# Altium PCB ECE453_Custom.PcbDoc
Units mil, origin at the board's own origin, x right, y up, seen from the top; angles counter-clockwise.
Board outline 2347.18 x 3917.24 mil, 2 copper layers (Top Layer, Bottom Layer); 93 components, 62 nets, 283 pads, 0 vias.
Unrouted connection lines stored in the file: 177.
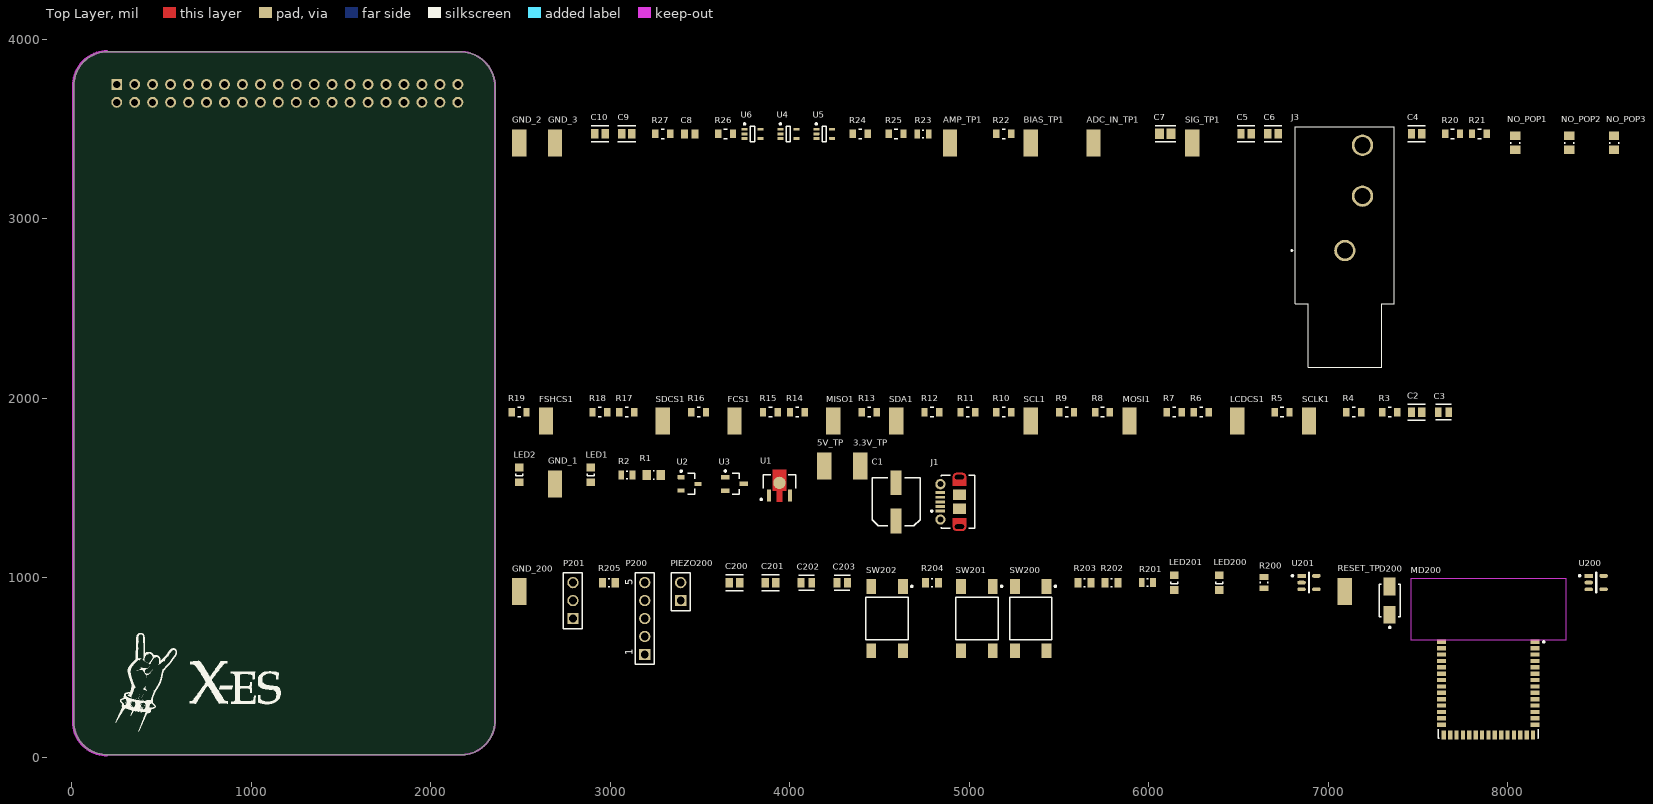
[diagram p0: Top Layer view]
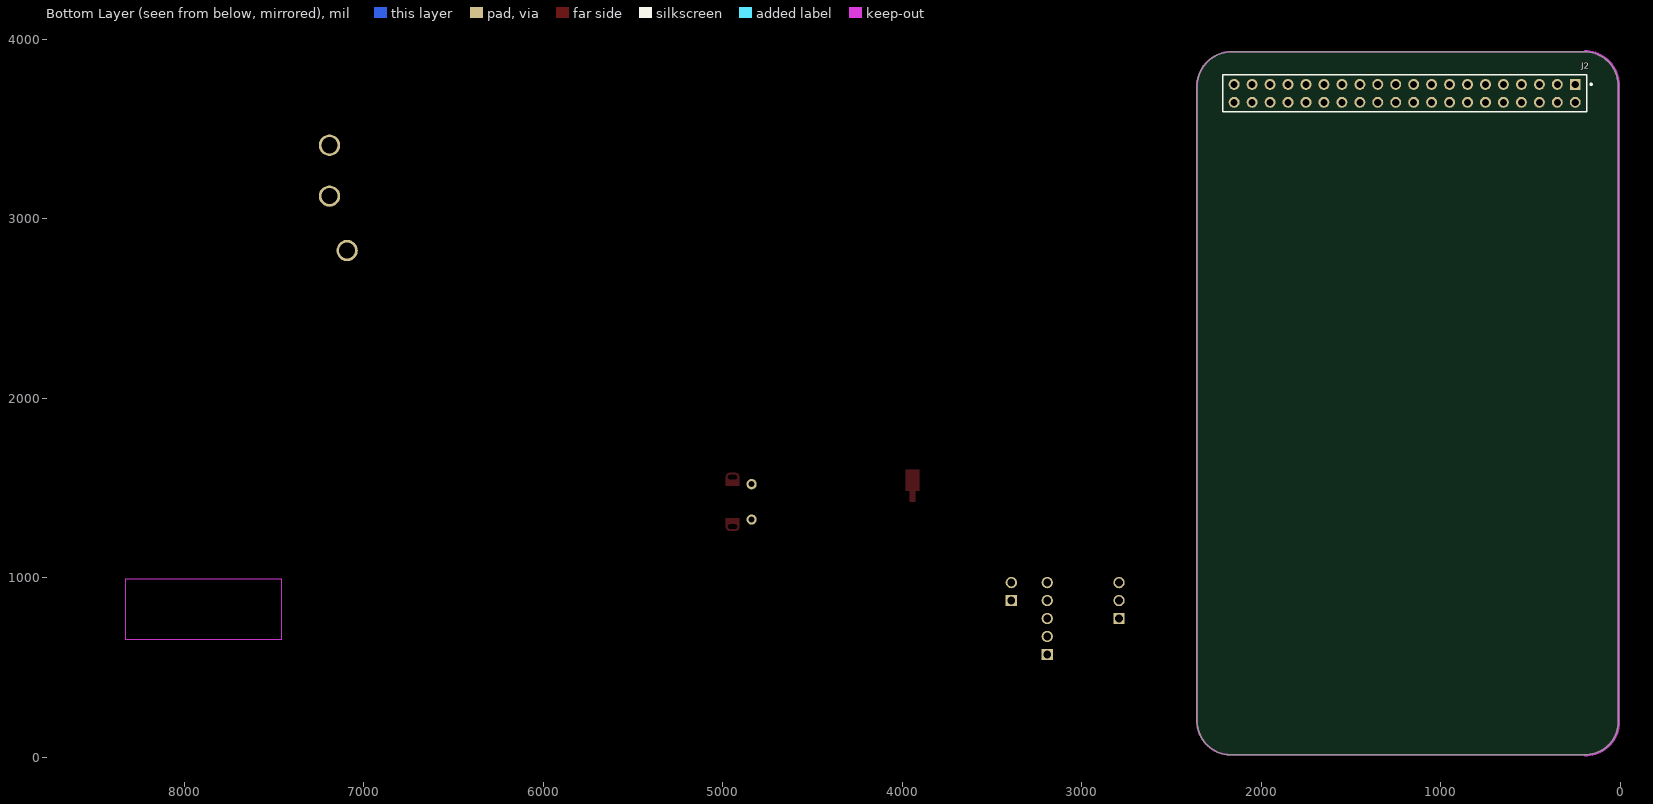
[diagram p1: Bottom Layer view, seen from below]

## Layer stack, top to bottom
Top Solder: solder mask 0.4, Solder Resist, Dk 3.5
Top Layer: signal copper 1.4
Dielectric1: dielectric 12.6, FR-4, Dk 4.8
Bottom Layer: signal copper 1.4
Bottom Solder: solder mask 0.4, Solder Resist, Dk 3.5

## Board outline
10.01,196.88 ccw(c194.35,199.35) 196.78,15.01 cw(c196.85,10) 196.85,15.02 2160.35,15.02 cw(c2160.35,10) 2160.58,15.01 ccw(c2167.85,204.35) 2357.19,196.95 2357.19,3740.13 ccw(c2162.85,3737.66) 2160.45,3931.99 ccw(c2162.85,3737.66) 2160.42,3931.99 2160.45,3931.99 cw(c2160.35,3937.01) 2160.35,3931.99 200,3931.99 cw(c200,3937.01) 198.43,3932.25 cw(c196.85,3937.01) 196.91,3931.99 ccw(c199.35,3742.66) 10.01,3740.25 ccw(c199.35,3742.66) 10.01,3740.22 10.01,3740.25 cw(c5,3740.16) 10.01,3740.16 10.01,196.88 cw(c194.35,199.35)

## Design rules (kind name [scope] priority, off if disabled: settings)
BoardOutlineClearance [All] p1: gap=50 ignorepadtopadclearanceinfootprint=FALSE
Clearance Polygon_Clearance [All vs InPolygon] p1: gap=12 ignorepadtopadclearanceinfootprint=TRUE
Clearance [All] p2: gap=7 ignorepadtopadclearanceinfootprint=TRUE
ComponentClearance [InComponent('U3')] p1: gap=0 collisioncheckmode=3 verticalgap=10 showdistances=FALSE
Height [All] p1: minheight=0 maxheight=866.14 prefheight=500
HoleSize [All] p1: absolutevalues=TRUE maxlimit=250 minlimit=15 maxpercent=80.000 minpercent=20.000
MinimumAnnularRing [All] p1: minimumring=7
MinimumSolderMaskSliver [All] p1: minsoldermaskwidth=1
NetAntennae NetAntennae_5.0V [InNet('5.0V')] p1: netantennaetolerance=0
NetAntennae NetAntennae_3.3V [InNet('3.3V')] p2: netantennaetolerance=0
PolygonConnect [IsNamedPolygon('5.0V_L01_P019') or IsNamedPolygon('3.3V_L01_P020') vs IsVia] p1: connectstyle=Relief reliefconductorwidth=10 reliefentries=4 polygonreliefangle="90 Angle" airgapwidth=10
PolygonConnect PolygonConnect_2 [All vs IsVia] p2: connectstyle=Relief reliefconductorwidth=15 reliefentries=4 polygonreliefangle="90 Angle" airgapwidth=10
PolygonConnect PolygonConnect_1 [All] p3: connectstyle=Relief reliefconductorwidth=10 reliefentries=4 polygonreliefangle="90 Angle" airgapwidth=10
RoutingVias [All] p1: holewidth=15 width=30 viastyle="Through Hole" minholewidth=15 minwidth=30 maxholewidth=28 maxwidth=50
SilkToSilkClearance [All] p1: silktosilkclearance=1
SilkToSolderMaskClearance [IsPad] p1: minsilkscreentomaskgap=1 clearancetoexposedcopper=TRUE
SolderMaskExpansion [All] p1: expansion=4 istentingtop=FALSE
UnRoutedNet [All] p1: checkbadconnections=TRUE
Width [All] p1: maxlimit=472.44 minlimit=7 preferedwidth=15 minimp=50.000000 maximp=50.000000 favimp=50.000000
22 further rules are at their usual default settings.

## Components (designator, comment, footprint, x,y, rotation, side; value= is the part's Value field where it differs from the comment)
3.3V_TP "5019" KSTN-5019_V 4391.54,1624.17 r90 top
5V_TP "5019" KSTN-5019_V 4191.54,1624.17 r90 top
ADC_IN_TP1 "5019" KSTN-5019_V 5691.54,3424.17 r90 top
AMP_TP1 "5019" KSTN-5019_V 4891.54,3424.17 r90 top
BIAS_TP1 "5019" KSTN-5019_V 5341.54,3424.17 r90 top
C1 "220uF" NIC-CAPA2-6.3X7.7_V 4591.54,1424.17 r90 top
C2 "0.1uF" FP-CL21-IPC_C 7491.54,1924.17 r0 top
C3 "C0805C106K8PACTU" FP-C0805C-DG-MFG 7641.54,1924.17 r0 top value=10uF
C4 "0.1uF" FP-CL21-IPC_C 7491.54,3474.17 r0 top
C5 "0.1uF" FP-CL21-IPC_C 6541.54,3474.17 r0 top
C6 "0.1uF" FP-CL21-IPC_C 6691.54,3474.17 r0 top
C7 "10uF" FP-CL21-IPC_B 6091.54,3474.17 r0 top
C8 "0.01uF" CAPC2013X75X45LL10T25 3441.54,3474.17 r0 top
C9 "0.1uF" FP-CL21-IPC_C 3091.54,3474.17 r0 top
C10 "0.1uF" FP-CL21-IPC_C 2941.54,3474.17 r0 top
C200 "0.1uF" FP-CL21-IPC_C 3691.54,974.17 r0 top
C201 "0.1uF" FP-CL21-IPC_C 3891.54,974.17 r0 top
C202 "C0805C106K8PACTU" FP-C0805C-DG-MFG 4091.54,974.17 r0 top value=10uF
C203 "C0805C106K8PACTU" FP-C0805C-DG-MFG 4291.54,974.17 r0 top value=10uF
D200 "B140-13-F" FP-SMA-MFG 7341.54,874.17 r90 top
FCS1 "5019" KSTN-5019_V 3691.54,1874.17 r90 top
FSHCS1 "5019" KSTN-5019_V 2641.54,1874.17 r90 top
GND_1 "5019" KSTN-5019_V 2691.54,1524.17 r90 top
GND_2 "5019" KSTN-5019_V 2491.54,3424.17 r90 top
GND_3 "5019" KSTN-5019_V 2691.54,3424.17 r90 top
GND_200 "5019" KSTN-5019_V 2491.54,924.17 r90 top
J1 "105017-0001" USB-MICRO-B_V 4891.54,1424.17 r90 top
J2 "M20-7832046" FP-M20-7832046-MFG 1200,3700 r0 bottom
J3 "SJ-63062B" CUI_SJ-63062B 7091.54,2824.17 r90 top
LCDCS1 "5019" KSTN-5019_V 6491.54,1874.17 r90 top
LED1 "150080GS75000" 0805_A 2891.54,1574.17 r90 top
LED2 "150080GS75000" 0805_A 2491.54,1574.17 r90 top
LED200 "150080GS75000" 0805_A 6391.54,974.17 r90 top
LED201 "150080RS75000" 0805_A 6141.54,974.17 r90 top
MD200 "CYBLE-416045-02" FP-CYBLE-416045-02-MFG 7891.54,474.17 r0 top
MISO1 "5019" KSTN-5019_V 4241.54,1874.17 r90 top
MOSI1 "5019" KSTN-5019_V 5891.54,1874.17 r90 top
NO_POP1 "NO_POP" RESC2013X60X35ML10T20 8041.54,3424.17 r90 top
NO_POP2 "NO_POP" RESC2013X60X35ML10T20 8341.54,3424.17 r90 top
NO_POP3 "NO_POP" RESC2013X60X35ML10T20 8591.54,3424.17 r90 top
P200 "61300511121" 61300511121 3191.54,774.17 r90 top
P201 "61300311121" 61300311121 2791.54,874.17 r90 top
PIEZO200 "61300211121" 61300211121 3391.54,924.17 r90 top
R1 "100R" RESC2013X60X35ML10T20 3241.54,1574.17 r0 top
R2 "43R" RESC2013X60X35LL10T20 3091.54,1574.17 r0 top
R3 "" FP-RC0805-MFG 7341.54,1924.17 r0 top value=0Ω
R4 "" FP-RC0805-MFG 7141.54,1924.17 r0 top value=0Ω
R5 "" FP-RC0805-MFG 6741.54,1924.17 r0 top value=0Ω
R6 "" FP-RC0805-MFG 6291.54,1924.17 r0 top value=0Ω
R7 "" FP-RC0805-MFG 6141.54,1924.17 r0 top value=0Ω
R8 "" FP-RC0805-MFG 5741.54,1924.17 r0 top value=0Ω
R9 "" FP-RC0805-MFG 5541.54,1924.17 r0 top value=0Ω
R10 "" FP-RC0805-MFG 5191.54,1924.17 r0 top value=0Ω
R11 "" FP-RC0805-MFG 4991.54,1924.17 r0 top value=0Ω
R12 "" FP-RC0805-MFG 4791.54,1924.17 r0 top value=0Ω
R13 "" FP-RC0805-MFG 4441.54,1924.17 r0 top value=0Ω
R14 "" FP-RC0805-MFG 4041.54,1924.17 r0 top value=0Ω
R15 "" FP-RC0805-MFG 3891.54,1924.17 r0 top value=0Ω
R16 "" FP-RC0805-MFG 3491.54,1924.17 r0 top value=0Ω
R17 "" FP-RC0805-MFG 3091.54,1924.17 r0 top value=0Ω
R18 "" FP-RC0805-MFG 2941.54,1924.17 r0 top value=0Ω
R19 "" FP-RC0805-MFG 2491.54,1924.17 r0 top value=0Ω
R20 "100kR" FP-RT0805-MFG 7691.54,3474.17 r0 top value=100KΩ
R21 "10kR" FP-RT0805-MFG 7841.54,3474.17 r0 top value=10KΩ
R22 "100kR" FP-RT0805-MFG 5191.54,3474.17 r0 top value=100KΩ
R23 "2kR" RESC2013X60X35LL10T20 4741.54,3474.17 r0 top
R24 "6.2kR" FP-RT0805-MFG 4391.54,3474.17 r0 top value=6.2KΩ
R25 "6.2kR" FP-RT0805-MFG 4591.54,3474.17 r0 top value=6.2KΩ
R26 "10kR" FP-RT0805-MFG 3641.54,3474.17 r0 top value=10KΩ
R27 "10kR" FP-RT0805-MFG 3291.54,3474.17 r0 top value=10KΩ
R200 "RC0805FR-07330RL" RESC2013X60X35LL10T20 6641.54,974.17 r90 top
R201 "RC0805FR-07330RL" RESC2013X60X35LL10T20 5991.54,974.17 r0 top
R202 "RC0805FR-0710KL" RESC2013X60X35NL10T20 5791.54,974.17 r0 top
R203 "RC0805FR-0710KL" RESC2013X60X35NL10T20 5641.54,974.17 r0 top
R204 "RC0805FR-0710KL" RESC2013X60X35NL10T20 4791.54,974.17 r0 top
R205 "RC0805FR-0710KL" RESC2013X60X35NL10T20 2991.54,974.17 r0 top
RESET_TP "5019" KSTN-5019_V 7091.54,924.17 r90 top
SCL1 "5019" KSTN-5019_V 5341.54,1874.17 r90 top
SCLK1 "5019" KSTN-5019_V 6891.54,1874.17 r90 top
SDA1 "5019" KSTN-5019_V 4591.54,1874.17 r90 top
SDCS1 "5019" KSTN-5019_V 3291.54,1874.17 r90 top
SIG_TP1 "5019" KSTN-5019_V 6241.54,3424.17 r90 top
SW200 "FSM4JSMA" TECO-FSM4JSMA_V 5341.54,774.17 r0 top
SW201 "FSM4JSMA" TECO-FSM4JSMA_V 5041.54,774.17 r0 top
SW202 "FSM4JSMA" TECO-FSM4JSMA_V 4541.54,774.17 r0 top
U1 "AZ1117CR-3.3TRG1" FP-SOT89-MFG 3941.54,1524.17 r0 top
U2 "4.38_TLV863MDBZR" DBZ0003A_N 3441.54,1524.17 r0 top
U3 "2.93_TLV803SDBZR" DBZ0003A_M 3691.54,1524.17 r0 top
U4 "LMV851MGX/NOPB" DCK0005A_N 3991.54,3474.17 r0 top
U5 "LMV851MGX/NOPB" DCK0005A_N 4191.54,3474.17 r0 top
U6 "LMV851MGX/NOPB" DCK0005A_N 3791.54,3474.17 r0 top
U200 "SN74AHC1G08DBV3" FP-DBV0005A-IPC_C 8491.54,974.17 r0 top
U201 "SN74AHC1G08DBV3" FP-DBV0005A-IPC_C 6891.54,974.17 r0 top

## Footprints (in the part's own frame and the unit in brackets; to place one, negate y for a bottom-side part, rotate by r counter-clockwise, add the part's x,y. Pads: shape width x height; smd on the part's side, far side on the other; paste and mask are expansions set on the pad)
0805_A [mm] "Chip LED, 2-Leads, Body 2.0x1.3mm, IPC Medium Density"
  rect 1.1x1.2 smd: 1(-1.05,0) 2(1.05,0)
  silkscreen extent -0.15,-0.5 0.15,0.5, body extent -1,-0.62 1,0.63, height 0.68
61300211121 [mm] "Pin Header, pitch 2.54 mm, THT, Vertical, single row, 2p"
  rect 1.6x1.6 hole 1.1: 1(-1.27,0)
  round 1.6 hole 1.1: 2(1.27,0)
  silkscreen extent -2.69,-1.35 2.69,1.35, body extent -2.54,-1.27 2.54,1.27, height 8.57
61300311121 [mm] "Pin Header, pitch 2.54 mm, THT, Vertical, single row, 3p"
  rect 1.6x1.6 hole 1.1: 1(-2.54,0)
  round 1.6 hole 1.1: 2(0,0) 3(2.54,0)
  silkscreen extent -3.96,-1.35 3.96,1.35, body extent -3.81,-1.27 3.81,1.27, height 8.57
61300511121 [mm] "Pin Header, pitch 2.54 mm, THT, Vertical, single row, 5p"
  rect 1.6x1.6 hole 1.1: 1(-5.08,0)
  round 1.6 hole 1.1: 2(-2.54,0) 3(0,0) 4(2.54,0) 5(5.08,0)
  silkscreen extent -6.5,-1.35 6.5,1.35, body extent -6.35,-1.27 6.35,1.27, height 8.57
CAPC2013X75X45LL10T25 [mm] "Chip Capacitor, 2-Leads, Body 2.1x1.35mm, IPC High Density"
  rect 1x1.3 smd: 1(-0.75,0) 2(0.75,0)
  body extent -1.05,-0.67 1.05,0.67, height 0.75
CUI_SJ-63062B [mm]
  round 3.016 hole 2.286: 1(0,0) 2(14.9,-2.5) 4(7.7,-2.5)
  silkscreen extent -16.5,-7 17.5,7.6
DBZ0003A_M [mm] "SOT23, 3-Leads, Body 3.04x1.4mm, Pitch 0.95mm, IPC Low Density"
  rrect15% 1.2x0.65 smd: 1(-1.3,0.95) 2(-1.3,-0.95) 3(1.3,0)
  silkscreen extent -1.42,-1.5 0.7,1.95, body extent -1.26,-1.46 1.26,1.46, height 0.96
DBZ0003A_N [mm] "SOT23, 3-Leads, Body 3.04x1.4mm, Pitch 0.95mm, IPC Medium Density"
  rrect17% 1x0.6 smd: 1(-1.2,0.95) 2(-1.2,-0.95) 3(1.2,0)
  silkscreen extent -1.32,-1.5 0.7,1.92, body extent -1.26,-1.46 1.26,1.46, height 0.96
DCK0005A_N [mm] "SOT23, 5-Leads, Body 2.15x1.4mm, Pitch 0.65mm, IPC Medium Density"
  rrect25% 0.85x0.4 smd: 1(-1.125,0.65) 2(-1.125,0) 3(-1.125,-0.65) 4(1.125,-0.65) 5(1.125,0.65)
  silkscreen extent -1.25,-1.1 0.3,1.52, body extent -1.14,-1 1.14,1, height 0.94
FP-C0805C-DG-MFG [mm]
  rect 0.95x1.35 smd paste+0 mask+0: 1(-0.75,0) 2(0.75,0)
  silkscreen extent -1.11,-1.08 1.1,1.07, body extent -1.4,-0.85 1.4,0.85, height 0.25
FP-CL21-IPC_B [mil]
  rect 49.4x57.33 smd paste+0 mask+0: 1(-32.51,0) 2(32.51,0)
  silkscreen extent -57,-44 57,44, body extent -67,-39 67,39, height 10
FP-CL21-IPC_C [mil]
  rect 41.52x53.39 smd paste+0 mask+0: 1(-28.57,0) 2(28.57,0)
  silkscreen extent -49,-44 49,44, body extent -53,-32 53,32, height 10
FP-CYBLE-416045-02-MFG [mm]
  rect 1.27x0.61 smd paste+0 mask+0: 1(6.619,4.32) 2(6.619,3.42) 3(6.619,2.52) 4(6.619,1.62) 5(6.619,0.71) 6(6.619,-0.19) 7(6.619,-1.09) 8(6.619,-1.99) 9(6.619,-2.89) 10(6.619,-3.79) 11(6.619,-4.7) 12(6.619,-5.6) 13(6.619,-6.5) 14(6.619,-7.4) 30(-6.619,-7.4) 31(-6.619,-6.5) 32(-6.619,-5.6) 33(-6.619,-4.7) 34(-6.619,-3.79) 35(-6.619,-2.89) 36(-6.619,-1.99) 37(-6.619,-1.09) 38(-6.619,-0.19) 39(-6.619,0.71) 40(-6.619,1.62) 41(-6.619,2.52) 42(-6.619,3.42) 43(-6.619,4.32)
  rect 0.61x1.27 smd paste+0 mask+0: 15(6.31,-8.869) 16(5.41,-8.869) 17(4.51,-8.869) 18(3.61,-8.869) 19(2.71,-8.869) 20(1.8,-8.869) 21(0.9,-8.869) 22(0,-8.869) 23(-0.9,-8.869) 24(-1.8,-8.869) 25(-2.7,-8.869) 26(-3.61,-8.869) 27(-4.51,-8.869) 28(-5.41,-8.869) 29(-6.31,-8.869)
  Keep-Out Layer region: -11,4.63 11,4.63 11,13.25 -11,13.25
  Keep-Out Layer region: -11,4.63 11,4.63 11,13.25 -11,13.25
  silkscreen extent -7.07,-9.33 7.95,4.43, body extent -11,-9.6 11,13.25, height 0.25
FP-DBV0005A-IPC_C [mm]
  rect 1.205x0.532 smd paste+0 mask+0: 1(-1.05,0.95)
  rrect100% 1.205x0.532 smd paste+0 mask+0: 2(-1.05,0) 3(-1.05,-0.95) 4(1.05,-0.95) 5(1.05,0.95)
  silkscreen extent -2.45,-1.45 0.05,1.45, body extent -1.75,-1.55 1.75,1.55, height 0.25
FP-M20-7832046-MFG [mm]
  rect 1.55x1.55 hole 1 paste-1000 mask+0: 1(-24.13,-1.27)
  round 1.55 hole 1 paste-1000 mask+0: 2(-24.13,1.27) 3(-21.59,-1.27) 4(-21.59,1.27) 5(-19.05,-1.27) 6(-19.05,1.27) 7(-16.51,-1.27) 8(-16.51,1.27) 9(-13.97,-1.27) 10(-13.97,1.27) 11(-11.43,-1.27) 12(-11.43,1.27) 13(-8.89,-1.27) 14(-8.89,1.27) 15(-6.35,-1.27) 16(-6.35,1.27) 17(-3.81,-1.27) 18(-3.81,1.27) 19(-1.27,-1.27) 20(-1.27,1.27) 21(1.27,-1.27) 22(1.27,1.27) 23(3.81,-1.27) 24(3.81,1.27) 25(6.35,-1.27) 26(6.35,1.27) 27(8.89,-1.27) 28(8.89,1.27) 29(11.43,-1.27) 30(11.43,1.27) 31(13.97,-1.27) 32(13.97,1.27) 33(16.51,-1.27) 34(16.51,1.27) 35(19.05,-1.27) 36(19.05,1.27) 37(21.59,-1.27) 38(21.59,1.27) 39(24.13,-1.27) 40(24.13,1.27)
  silkscreen extent -26.5,-2.6 25.78,2.6, body extent -25.6,-2.52 25.6,2.52, height 8.61
FP-RC0805-MFG [mm]
  rect 0.9x1.2 smd paste+0 mask+0: 1(-1.05,0) 2(1.05,0)
  silkscreen extent -0.23,-0.67 0.23,0.67, body extent -1.6,-0.77 1.6,0.77, height 0.25
FP-RT0805-MFG [mm]
  rect 0.9x1.2 smd paste+0 mask+0: 1(-1.05,0) 2(1.05,0)
  silkscreen extent -0.23,-0.67 0.23,0.67, body extent -1.6,-0.77 1.6,0.77, height 0.25
FP-SMA-MFG [mm]
  rect 2.5x1.7 smd paste+0 mask+0: 1(-2,0) 2(2,0)
  silkscreen extent -3.92,-1.46 2.3,1.46, body extent -3.35,-1.56 3.35,1.56, height 0.25
FP-SOT89-MFG [mm]
  rect 0.58x1.73 smd paste+0 mask+0: 1(-1.5,-1.635) 3(1.5,-1.635)
  round 1.74 smd paste+0 mask+0: 2(0,0.146)
  Top Layer region: -0.38,-2.5 -0.38,-1 -0.967,-1 -0.967,2.03 0.967,2.03 0.967,-1 0.38,-1 0.38,-2.5
  silkscreen extent -2.7,-2.32 2.3,1.3, body extent -2.4,-2.6 2.4,2.13, height 0.25
KSTN-5019_V [mm] "Test Point, 1-Leads, Body 3.81x2.03mm"
  rect 3.8x2.03 smd: 1(0,0)
  body extent -1.9,-1.01 1.9,1.02, height 2.29
NIC-CAPA2-6.3X7.7_V [mm] "Aluminum Electrolytic Capacitor, Diameter 6.3mm, Height 8mm, Pitch 5.4mm"
  rect 3.5x1.6 smd: 1(-2.7,0) 2(2.7,0)
  silkscreen extent -3.4,-3.4 3.4,3.4, body extent -3.14,-3.12 3.14,3.15, height 8
RESC2013X60X35LL10T20 [mm] "Chip Resistor, 2-Leads, Body 2.00x1.25mm, IPC High Density"
  rect 0.8x1.25 smd: 1(-0.8,0) 2(0.8,0)
  silkscreen extent -0.1,-0.53 0.1,0.53, body extent -1.05,-0.67 1.05,0.67, height 0.6
RESC2013X60X35ML10T20 [mm] "Chip Resistor, 2-Leads, Body 2.1x1.35mm, IPC Low Density"
  rect 1.2x1.45 smd: 1(-1,0) 2(1,0)
  silkscreen extent -0.1,-0.63 0.1,0.63, body extent -1.05,-0.68 1.05,0.67, height 0.6
RESC2013X60X35NL10T20 [mm] "Chip Resistor, 2-Leads, Body 2.1x1.35mm, IPC Medium Density"
  rect 1x1.35 smd: 1(-0.9,0) 2(0.9,0)
  silkscreen extent -0.1,-0.58 0.1,0.58, body extent -1.05,-0.68 1.05,0.67, height 0.6
TECO-FSM4JSMA_V [mm] "SMD, 4-Leads, Body 6x6mm, Pitch 4.5mm"
  rect 1.4x2.1 smd: 1(2.25,4.55) 2(2.25,-4.55) 3(-2.25,4.55) 4(-2.25,-4.55)
  silkscreen extent -3,-3 3.63,4.67, body extent -3,-5 3,5, height 5.08
USB-MICRO-B_V [mm] "USB, MICRO B, Body 7.491x4.695 mm, Pitch 0.65 mm"
  rect 0.4x1.35 smd: 1(-1.3,1.35) 2(-0.65,1.35) 3(0,1.35) 4(0.65,1.35) 5(1.3,1.35)
  round 1.45 hole 0.85: 6(-2.5,1.35) 7(2.5,1.35)
  rrect50% 0x0 hole 0.6 slot 1.3 at 90 deg: 8(-3.5,-1.35) 11(3.5,-1.35)
  rect 1.5x1.9 smd: 9(-1,-1.35) 10(1,-1.35)
  Top Layer circle w0.5: c-3.6,-1.8 r0.25
  Top Layer circle w0.5: c-3.6,-0.9 r0.25
  Top Layer circle w0.5: c3.6,-1.8 r0.25
  Top Layer circle w0.5: c3.6,-0.9 r0.25
  Top Layer region: -3.6,-1.8 -3.6,-0.9 -4.1,-0.9 -4.1,-1.8
  Top Layer region: 3.6,-0.9 3.6,-1.8 4.1,-1.8 4.1,-0.9
  Top Layer region: 2.3,-0.4 2.3,-2.3 3.6,-2.3 3.6,-0.4
  Top Layer region: -2.3,-2.3 -2.3,-0.4 -3.6,-0.4 -3.6,-2.3
  silkscreen extent -3.75,-3.5 3.75,2.7, body extent -4.1,-3.9 4.1,1.5, height 2.67

## Part data
3.3V_TP 5V_TP ADC_IN_TP1 AMP_TP1 BIAS_TP1 FCS1 FSHCS1 GND_1 GND_2 GND_3 LCDCS1 MISO1 MOSI1 SCL1 SCLK1 SDA1 SDCS1 SIG_TP1: library part CMP-1672-00008-1, "Test Point, 1 Position SMD, RoHS, Tape and Reel", Manufacturer="Keystone Electronics", Package Quantity=1000, Category=Connectors, ComponentLink1Description="Manufacturer URL", ComponentLink1URL=http://www.keyelco.com/, ComponentLink2Description=Datasheet, ComponentLink2URL=http://www.keyelco.com/product-pdf.cfm?p=1357, ComponentLink3Description=https://datasheet.ciiva.com/16318/m60-2p61-16318395.pdf?src-supplier=Future+Electronics, ComponentLink3URL=https://datasheet.ciiva.com/16318/m60-2p61-16318395.pdf?src-supplier=Future+Electronics, ComponentLink4Description=https://datasheet.ciiva.com/16885/70182998-16885945.pdf?src-supplier=Allied+Electronics, ComponentLink4URL=https://datasheet.ciiva.com/16885/70182998-16885945.pdf?src-supplier=Allied+Electronics, ComponentLink5Description=https://datasheet.ciiva.com/14848/m60-2p61-14848437.pdf?src-supplier=Digi-Key, ComponentLink5URL=https://datasheet.ciiva.com/14848/m60-2p61-14848437.pdf?src-supplier=Digi-Key, ComponentLink6Description=https://datasheet.ciiva.com/14848/m60-2p61-14848438.pdf?src-supplier=Digi-Key, ComponentLink6URL=https://datasheet.ciiva.com/14848/m60-2p61-14848438.pdf?src-supplier=Digi-Key, ComponentLink7Description=https://datasheet.ciiva.com/14848/m60-2p61-14848439.pdf?src-supplier=Digi-Key, ComponentLink7URL=https://datasheet.ciiva.com/14848/m60-2p61-14848439.pdf?src-supplier=Digi-Key, Contact Material=Bronze, Contact Plating=Silver, DatasheetVersion=03/2014, Height=0.09inch, Lead Free="Lead Free", Manufacturer Part Number=5019, Material=Bronze, Mount="Surface Mount", Mounting Technology="Surface Mount", Number of Pins=1, PackageDescription="1-Pin Surface Mount Device, Body 3.81 x 2.03 mm", PackageReference=5019, Packaging="Tape and Reel", Pins=1, Pricing 1="1=0.34000, 25=0.27360, 100=0.22340, 250=0.20064, 500=0.19152 (USD)", REACH SVHC="No SVHC", RoHS=Yes, RoHS Compliant=Yes, RoHSCompliant=True, Series=5019, Supplier 1=Digi-Key, Termination=SMD/SMT
  3.3V_TP 5V_TP GND_1: Stock 1=1306897
  ADC_IN_TP1 AMP_TP1 BIAS_TP1 FCS1 FSHCS1 GND_2 GND_3 LCDCS1 MISO1 MOSI1 SCL1 SCLK1 SDA1 SDCS1 SIG_TP1: Stock 1=1295398
C1: library part CMP-0687-00060-1, "Aluminum Electrolytic Capacitor, UD Series, Low Impedance, 220 uF, 16 V, + / - 20%, -55 to 105 degC, Chip Type, 6.3 x 7.7 mm D x L, Pb-Free, Reel", Case/Package=Radial, Dielectric Material=Aluminium, Leakage Current=3uA, Manufacturer=Nichicon, Manufacturer Part Number=UUD1C221MCL1GS, Max Operating Temperature=105°C, Min Operating Temperature=-55°C, Package Quantity=1, Rated Capacitance="220 uF", Rated Ripple Current (at 100kHz)="280 mA", Rated Voltage="16 V", Ripple Current=280mA, Supplier Part Number 1=493-2264-1-ND, Tolerance=20%, Tolerance Rated Capacitance="-20 to 20%", Voltage=16V, Capacitance=220uF, Category="Aluminum Electrolytic Capacitors", ComponentLink1Description="Manufacturer URL", ComponentLink1URL=http://www.nichicon.co.jp/, ComponentLink2Description=Datasheet, ComponentLink2URL=http://products.nichicon.co.jp/en/pdf/XJA043/e-ud.pdf, ComponentLink3Description="Package Specification", ComponentLink3URL=http://products.nichicon.co.jp/en/pdf/XJA043/e-ud.pdf, ComponentLink4Description=https://datasheet.ciiva.com/97/e-ud-97205.pdf?src-supplier=Digi-Key, ComponentLink4URL=https://datasheet.ciiva.com/97/e-ud-97205.pdf?src-supplier=Digi-Key, ComponentLink5Description=https://datasheet.ciiva.com/97/e-ud-97206.pdf?src-supplier=Digi-Key, ComponentLink5URL=https://datasheet.ciiva.com/97/e-ud-97206.pdf?src-supplier=Digi-Key, ComponentLink6Description=https://datasheet.ciiva.com/97/e-ud-97207.pdf?src-supplier=Digi-Key, ComponentLink6URL=https://datasheet.ciiva.com/97/e-ud-97207.pdf?src-supplier=Digi-Key, ComponentLink7Description=https://datasheet.ciiva.com/11685/e-ud-11685974.pdf?src-supplier=Avnet, ComponentLink7URL=https://datasheet.ciiva.com/11685/e-ud-11685974.pdf?src-supplier=Avnet, ComponentLink8Description=https://datasheet.ciiva.com/5361/e-ud-5361934.pdf?src-supplier=Mouser, ComponentLink8URL=https://datasheet.ciiva.com/5361/e-ud-5361934.pdf?src-supplier=Mouser, ComponentLink9Description=https://datasheet.ciiva.com/16373/e-ud-16373647.pdf?src-supplier=Future+Electronics, ComponentLink9URL=https://datasheet.ciiva.com/16373/e-ud-16373647.pdf?src-supplier=Future+Electronics, ComponentLink10Description=https://datasheet.ciiva.com/7781/e-ud-7781693.pdf?src-supplier=Element14, ComponentLink10URL=https://datasheet.ciiva.com/7781/e-ud-7781693.pdf?src-supplier=Element14, Construction=Cylindrical, DatasheetVersion=08/2012, Diameter="6.3 mm", Dissipation Factor=0.2%, Endurance Time="2000 h", Height=7.7mm, Height - Seated (Max)=0.303inch, Impedance="0.34 Ohm", Lead Diameter=0.8mm, Lead Free="Lead Free", Lead Pitch=2.2mm, Length="7.7 mm", Life (Hours)=2000Hour, Mounting Technology="Surface Mount", Number of Pins=2, PackageDescription="2-Pin Surface Mount Device, Diameter 6.3 mm, Height 7.7 mm, Pitch 5.4 mm", PackageReference=CAPAE-D6.3H7.7, Packaging="Tape and Reel", Packing="Dia382mm Reel", PartNumber=UUD1C221MCL1GS, Pricing 1="1=0.46000, 10=0.32000, 50=0.22420, 100=0.19220 (USD)", Radiation Hardening=No, REACH SVHC="No SVHC", Ripple Current (AC)=280mA, RoHS=TRUE, RoHS Compliant=Yes, Series=UD, Stock 1=25833, Supplier 1=Digi-Key, Termination=SMD/SMT, Voltage Rating=16V, Voltage Rating (DC)=16V
C2 C4 C5 C6 C9 C10 C200 C201: library part CMP-2000-05017-2, "CL21 Series 0805 100nF 50V ±10% Tolerance X7R Multilayer Ceramic Chip Capacitor", Capacitance=100nF, Case Code (Imperial)=0805, Case Code (Metric)=2012, Dielectric=X7R, Manufacturer=Samsung, Manufacturer Part Number=CL21B104KBCNNNC, Max Operating Temperature=125°C, Min Operating Temperature=-55°C, Tolerance=10%, Voltage=50V, Case/Package=0805, Category="Ceramic Capacitors", ComponentLink1Description=https://datasheet.ciiva.com/25710/cl21b104kbcnnnc-25710182.pdf?src-supplier=Digi-Key, ComponentLink1URL=https://datasheet.ciiva.com/25710/cl21b104kbcnnnc-25710182.pdf?src-supplier=Digi-Key, ComponentLink2Description=https://datasheet.ciiva.com/29199/454152-da-01-en-vs-kondensator-0805-29199814.pdf?src-supplier=Conrad, ComponentLink2URL=https://datasheet.ciiva.com/29199/454152-da-01-en-vs-kondensator-0805-29199814.pdf?src-supplier=Conrad, Construction=Flat, Contact Plating=Tin, Depth=1.25mm, Height=0.85mm, Lead Free="Lead Free", Length=2mm, Material=Ceramic, Mount="Surface Mount", Packaging="Tape and Reel", Pricing 1="1=0.10000, 10=0.04400, 50=0.02400, 100=0.01960, 500=0.01404, 1000=0.01103 (USD)", Radiation Hardening=No, RoHS=Yes, RoHS Compliant=Yes, Series=CL, Stock 1=4599648, Supplier 1=Digi-Key, Thickness=0.037inch, Voltage Rating=50V, Voltage Rating (DC)=50V, Width=0.049inch
C3 C202 C203: library part CMP-2007-03243-2, "CAP CER 10UF 10V X5R 0805", 3DS Part Number=220-00001, Capacitance=10uF, Case Code (Imperial)=0805, Case Code (Metric)=2012, Dielectric=X5R, Dielectric Material=Ceramic, Manufacturer=Kemet, Manufacturer 1=KEMET, Max Operating Temperature=85°C, Min Operating Temperature=-55°C, Package=C0805C-DG, Package Quantity=1, Supplier Part Number 1=399-C0805C106K8PAC7800CT-ND, Temperature="-55°C to +85°C", Temperature Coefficient=15%, Temperature Range High=+85°C, Tolerance=10%, Voltage=10V, Automotive=No, Case/Package=0805, Category=Cap, ComponentLink2Description=Datasheet, ComponentLink2URL=https://content.kemet.com/datasheets/KEM_C1006_X5R_SMD.pdf, Construction=Flat, Contact Plating=Tin,Matte, Depth=1.25mm, Device Class L1="Passive Components", Device Class L2=Capacitors, Device Class L3="Ceramic Capacitors", Digikey Description="CAP CER 10UF 10V X5R 0805", Dissipation Factor=10%, Height=1.4mm, Ipc Land Pattern Name=CAPC200125X125, Lead Free=Yes, Length=2mm, Manufacturer Part Number=C0805C106K8PACTU, Manufacturer Part Number 1=C0805C106K8PACTU, Material=Ceramic, Mount="Surface Mount", Mouser Description="CAP CER 10UF 10V X5R 0805", Number of Pins=2, Octopart=https://octopart.com/c0805c106k8pactu-kemet-98697, Packaging="Tape and Reel", Pricing 1="1=0.14000, 10=0.10300, 50=0.05840, 100=0.04830, 500=0.03388, 1000=0.02805 (USD)", Radiation Hardening=No, REACH SVHC="No SVHC", RoHS=TRUE, RoHS Compliant=Yes, Series=C, Stock 1=8631846, Supplier 1=Digi-Key, Temperature Characteristic=X5R, Temperature Range Low=-55°C, Termination=SMD/SMT, Thickness=0.055inch, Voltage Rating=10V, Voltage Rating (DC)=10V, Width=1.2mm
C7: library part CMP-2000-06103-2, "CL21 Series 0805 10uF 10V ±10% Tolerance X5R Multilayer Ceramic Chip Capacitor", Case Code (Imperial)=0805, Case Code (Metric)=2012, Dielectric=X5R, Manufacturer=Samsung, Manufacturer Part Number=CL21A106KPFNNNE, Max Operating Temperature=85°C, Min Operating Temperature=-55°C, Package Quantity=1, Tolerance=10%, Voltage Rating=10V, Capacitance=10uF, Case/Package=0805, Category="Ceramic Capacitors", ComponentLink1Description=https://media.digikey.com/pdf/Data%20Sheets/Samsung%20PDFs/CL_Series_MLCC_ds.pdf?src-supplier=Digi-Key, ComponentLink1URL=https://media.digikey.com/pdf/Data%20Sheets/Samsung%20PDFs/CL_Series_MLCC_ds.pdf?src-supplier=Digi-Key, Construction=Flat, Contact Plating=Tin, Depth=1.25mm, Height=1.25mm, Lead Free="Lead Free", Length=2mm, Mount="Surface Mount", Packaging="Tape and Reel", Pricing 1="1=0.11000, 10=0.08100, 50=0.04420, 100=0.03610, 500=0.02580, 1000=0.02028 (USD)", Radiation Hardening=No, RoHS=Yes, RoHS Compliant=Yes, Series=CL, Stock 1=2691681, Supplier 1=Digi-Key, Thickness=0.053inch, Voltage Rating (DC)=10V, Width=0.049inch
C8: library part CMP-2000-06105-1, "Multilayer Ceramic Capacitor, 10 nF, 50 V, -55 to 125 degC, 2-Pin SMD, RoHS, Tape and Reel", Capacitance=10000pF, Case Code (Imperial)=0805, Case Code (Metric)=2012, Dielectric=X7R, Manufacturer="Samsung Electro-Mechanics", Manufacturer Part Number=CL21B103KBANNNC, Max Operating Temperature=125°C, Min Operating Temperature=-55°C, Package Description="2-Pin Surface Mount Device, Body 2 x 1.25 mm", Rated Voltage=50V, Tolerance=10%, Tolerance (%)=±10%, Case Size/Dimension=0805, Case/Package=0805, Category="Ceramic Capacitors", ComponentLink1Description=https://datasheet.ciiva.com/25709/cl21b103kbannnc-25709781.pdf?src-supplier=Digi-Key, ComponentLink1URL=https://datasheet.ciiva.com/25709/cl21b103kbannnc-25709781.pdf?src-supplier=Digi-Key, ComponentLink2Description=https://datasheet.ciiva.com/29199/455082-da-01-en-vs-kondensator-0805-29199459.pdf?src-supplier=Conrad, ComponentLink2URL=https://datasheet.ciiva.com/29199/455082-da-01-en-vs-kondensator-0805-29199459.pdf?src-supplier=Conrad, Construction=Flat, Contact Plating=Tin, Datasheet URL=https://datasheet.ciiva.com/29199/455082-da-01-en-vs-kondensator-0805-29199459.pdf, Datasheet Version=11/2010, Depth=1.25mm, Height=0.65mm, Lead Free="Lead Free", Length=2mm, Manufacturer URL=http://www.samsungsem.com/global/index.jsp, Material=Ceramic, Mount="Surface Mount", Mounting Technology=SurfaceMount, Package Reference=0805, Packaging="Tape and Reel", Pricing 1="1=0.10000, 10=0.04200, 50=0.02300, 100=0.01880, 500=0.01344, 1000=0.01055 (USD)", Radiation Hardening=No, RoHS=Yes, RoHS Compliant=Yes, Series=CL, Stock 1=3435994, Supplier 1=Digi-Key, Thickness=0.03inch, Voltage=50V, Voltage Rating=50V, Voltage Rating (DC)=50V, Width=0.049inch
D200: library part CMP-2000-05096-2, "DIODE SCHOTTKY 40V 1A SMA", Average Rectified Current=1A, Capacitance=110pF, Case/Package=SMA, Forward Voltage=500mV, Manufacturer 1=Diodes, Max Forward Surge Current (Ifsm)=30A, Max Operating Temperature=150°C, Max Repetitive Reverse Voltage (Vrrm)=40V, Max Reverse Current=500uA, Min Operating Temperature=-65°C, Package Quantity=5000, Supplier Part Number 1=B140-FDICT-ND, Category="Rectifier Diodes", ComponentLink1Description=https://datasheet.ciiva.com/15220/getdatasheetpartid-115924-15220197.pdf?src-supplier=Verical, ComponentLink1URL=https://datasheet.ciiva.com/15220/getdatasheetpartid-115924-15220197.pdf?src-supplier=Verical, ComponentLink2Description=https://datasheet.ciiva.com/912/ds13002-912361.pdf?src-supplier=Digi-Key, ComponentLink2URL=https://datasheet.ciiva.com/912/ds13002-912361.pdf?src-supplier=Digi-Key, ComponentLink3Description=https://datasheet.ciiva.com/912/ds13002-912362.pdf?src-supplier=Digi-Key, ComponentLink3URL=https://datasheet.ciiva.com/912/ds13002-912362.pdf?src-supplier=Digi-Key, ComponentLink4Description=https://datasheet.ciiva.com/912/ds13002-912360.pdf?src-supplier=Digi-Key, ComponentLink4URL=https://datasheet.ciiva.com/912/ds13002-912360.pdf?src-supplier=Digi-Key, Contact Plating=Tin, Current Rating=1A, Element Configuration=Single, Forward Current=1A, Height=2.1mm, Lead Free="Lead Free", Length=4.6mm, Manufacturer Part Number 1=B140-13-F, Max Reverse Voltage (DC)=40V, Mount="Surface Mount", Number of Pins=2, Output Current=1A, Packaging="Cut Tape", Peak Non-Repetitive Surge Current=30A, Polarity=Standard, Pricing 1="1=0.41000, 10=0.33200, 100=0.17600, 500=0.11576, 1000=0.07872, 2000=0.07100 (USD)", Radiation Hardening=No, REACH SVHC="No SVHC", RoHS=Yes, RoHS Compliant=Yes, Series=B140, Stock 1=157255, Supplier 1=Digi-Key, Termination=SMD/SMT, Voltage Rating (DC)=40V, Weight=0.004233oz, Width=2.92mm
GND_200 RESET_TP: library part CMP-1672-00008-1, "Test Point, 1 Position SMD, RoHS, Tape and Reel", Manufacturer 1="Keystone Electronics", Package Quantity=1000, Supplier Part Number 1=36-5019CT-ND, Category=Connectors, ComponentLink1Description="Manufacturer URL", ComponentLink1URL=http://www.keyelco.com/, ComponentLink2Description=Datasheet, ComponentLink2URL=http://www.keyelco.com/product-pdf.cfm?p=1357, ComponentLink3Description=https://datasheet.ciiva.com/16318/m60-2p61-16318395.pdf?src-supplier=Future+Electronics, ComponentLink3URL=https://datasheet.ciiva.com/16318/m60-2p61-16318395.pdf?src-supplier=Future+Electronics, ComponentLink4Description=https://datasheet.ciiva.com/16885/70182998-16885945.pdf?src-supplier=Allied+Electronics, ComponentLink4URL=https://datasheet.ciiva.com/16885/70182998-16885945.pdf?src-supplier=Allied+Electronics, ComponentLink5Description=https://datasheet.ciiva.com/14848/m60-2p61-14848437.pdf?src-supplier=Digi-Key, ComponentLink5URL=https://datasheet.ciiva.com/14848/m60-2p61-14848437.pdf?src-supplier=Digi-Key, ComponentLink6Description=https://datasheet.ciiva.com/14848/m60-2p61-14848438.pdf?src-supplier=Digi-Key, ComponentLink6URL=https://datasheet.ciiva.com/14848/m60-2p61-14848438.pdf?src-supplier=Digi-Key, ComponentLink7Description=https://datasheet.ciiva.com/14848/m60-2p61-14848439.pdf?src-supplier=Digi-Key, ComponentLink7URL=https://datasheet.ciiva.com/14848/m60-2p61-14848439.pdf?src-supplier=Digi-Key, Contact Material=Bronze, Contact Plating=Silver, DatasheetVersion=03/2014, Height=0.09inch, Lead Free="Lead Free", Manufacturer Part Number 1=5019, Material=Bronze, Mount="Surface Mount", Mounting Technology="Surface Mount", Number of Pins=1, PackageDescription="1-Pin Surface Mount Device, Body 3.81 x 2.03 mm", PackageReference=5019, Packaging="Tape and Reel", Pins=1, Pricing 1="1=0.34000, 25=0.27360, 100=0.22340, 250=0.20064, 500=0.19152 (USD)", REACH SVHC="No SVHC", RoHS=Yes, RoHS Compliant=Yes, RoHSCompliant=True, Series=5019, Stock 1=1316816, Supplier 1=Digi-Key, Termination=SMD/SMT
J1: library part CMP-2000-05827-1, "Micro-USB B Receptacle, Right Angle, Bottom Mount, Surface Mount, with Solder Tabs, -30 to 85 degC, 5-Pin USB, RoHS, Tape and Reel", Current Rating=1.8A, Flammability Rating="UL94 V-0", Insulation Color=Black, Manufacturer=Molex, Manufacturer Part Number=1050170001, Max Operating Temperature=85°C, Max Voltage Rating (AC)=30V, Min Operating Temperature=-30°C, Package Description="5-Leads USB, Micro B, Body 7.5 x 5 mm, Pitch 0.65 mm", Package Quantity=2000, Package Reference=MICRO-B, Package Version="Rev. F, 12/2012", Standard Package=1, Supplier Part Number 1=WM1399CT-ND, 3D Model=105017-0001.stp, Catalog Drawings=1050170001, Category=Connectors,Interconnects, Circuits=5, ComponentLink1Description=https://datasheet.ciiva.com/30165/235271050170001-io-nectors-30165183.pdf?src-supplier=Onlinecomponents.com, ComponentLink1URL=https://datasheet.ciiva.com/30165/235271050170001-io-nectors-30165183.pdf?src-supplier=Onlinecomponents.com, ComponentLink2Description=https://datasheet.ciiva.com/8015/1631959-8015288.pdf?src-supplier=Element14, ComponentLink2URL=https://datasheet.ciiva.com/8015/1631959-8015288.pdf?src-supplier=Element14, ComponentLink3Description=https://datasheet.ciiva.com/22654/1688140-22654924.pdf?src-supplier=Element14, ComponentLink3URL=https://datasheet.ciiva.com/22654/1688140-22654924.pdf?src-supplier=Element14, ComponentLink4Description=https://datasheet.ciiva.com/3094/1050170001-io-connectors-3094416.pdf?src-supplier=Avnet, ComponentLink4URL=https://datasheet.ciiva.com/3094/1050170001-io-connectors-3094416.pdf?src-supplier=Avnet, ComponentLink5Description=https://datasheet.ciiva.com/4598/1050170001-io-connectors-152207-4598759.pdf?src-supplier=Mouser, ComponentLink5URL=https://datasheet.ciiva.com/4598/1050170001-io-connectors-152207-4598759.pdf?src-supplier=Mouser, ComponentLink6Description=https://datasheet.ciiva.com/851/1050170001-sd-851276.pdf?src-supplier=Digi-Key, ComponentLink6URL=https://datasheet.ciiva.com/851/1050170001-sd-851276.pdf?src-supplier=Digi-Key, ComponentLink7Description=https://datasheet.ciiva.com/851/1050170001-sd-851277.pdf?src-supplier=Digi-Key, ComponentLink7URL=https://datasheet.ciiva.com/851/1050170001-sd-851277.pdf?src-supplier=Digi-Key, ComponentLink8Description=https://datasheet.ciiva.com/851/1050170001-sd-851278.pdf?src-supplier=Digi-Key, ComponentLink8URL=https://datasheet.ciiva.com/851/1050170001-sd-851278.pdf?src-supplier=Digi-Key, ComponentLink9Description=https://datasheet.ciiva.com/16668/1050170001-io-connectors-16668598.pdf?, ComponentLink9URL=https://datasheet.ciiva.com/16668/1050170001-io-connectors-16668598.pdf?, Connector Type=USB-microB, Contact Material="Copper Alloy,Copper", Contact Plating=Gold, Datasheet URL=http://www.molex.com/elqNow/elqRedir.htm?ref=http://www.molex.com/webdocs/datasheets/pdf/en-us/1050170001_IO_CONNECTORS.pdf, Datasheet Version=03/2016, Depth=7.5mm, Family=USB,DVI,HDMIConnectors, Featured Product=Micro-USBConnectorsUSBConnectors, Features=Shielded,SolderRetention, Gender=Receptacle, Halogen Free="Low Halogen", Housing Material=Polymer, Ingress Protection=-, Length=8.2mm, Manufacturer URL=http://www.molex.com/, Mating Cycles=10000, Mating Products=WM17145-ND-CABLEMICROUSBBTOSTDA1.0MWM17147-ND-CABLEMICROUSBBTOSTDA2.0MWM17146-ND-CABLEMICROUSBBTOSTDA1.5M, Mount="Surface Mount,Through Hole,Horizontal", Mounting Technology=SurfaceMount, Mounting Type=BoardCutout,SurfaceMount,RightAngle, Number of Circuits=5, Number of Contacts=5, Number of Ports=1, Number of Positions=5, Number of Terminals/Pins=5, Online Catalog=Molex-MicroUSB, Orientation="Right Angle", Other Names=WM1399DKR, Package URL=http://www.molex.com/pdm_docs/sd/1050170001_sd.pdf, Packaging=Digi-Reel®, PCN Assembly/Origin=ResinSupplier21/Oct/2015, Pitch=0.65mm, Pricing 1="1=1.01000, 10=0.84000, 100=0.69990, 1000=0.55994 (USD)", Radiation Hardening=No, REACH SVHC=Unknown, RoHS=Yes, RoHS Compliant=Yes, RoHS Information=1050170001CertofCompliance, Series=-, Shielding=Shielded, Specifications=-, Stock 1=49105, Supplier 1=Digi-Key, Termination=Solder, USB Standard="USB 2.0", Voltage - Max=30V, Voltage Rating=30V, Voltage Rating (AC)=30V
J2: library part CMP-15831-000036-1, "CONN RCPT 40POS 0.1 TIN PCB", Color=Black, Contact Resistance=20mR, Current Rating=3A, Insulation Resistance=1MR, Manufacturer=Harwin, Max Operating Temperature=105°C, Min Operating Temperature=-40°C, Package Quantity=11, Supplier Part Number 1=952-2150-ND, Category="Headers and Wire Housings", ComponentLink1Description=https://datasheet.ciiva.com/11748/0900766b80dc1d2a-11748805.pdf?src-supplier=RSComponents, ComponentLink1URL=https://datasheet.ciiva.com/11748/0900766b80dc1d2a-11748805.pdf?src-supplier=RSComponents, ComponentLink2Description=https://datasheet.ciiva.com/26852/getdatasheetpartid-499542-26852174.pdf?src-supplier=Verical, ComponentLink2URL=https://datasheet.ciiva.com/26852/getdatasheetpartid-499542-26852174.pdf?src-supplier=Verical, ComponentLink3Description=https://datasheet.ciiva.com/9479/m20-783-9479864.pdf?src-supplier=Avnet, ComponentLink3URL=https://datasheet.ciiva.com/9479/m20-783-9479864.pdf?src-supplier=Avnet, ComponentLink4Description=https://datasheet.ciiva.com/6795/m20-783-6795342.pdf?src-supplier=Digi-Key, ComponentLink4URL=https://datasheet.ciiva.com/6795/m20-783-6795342.pdf?src-supplier=Digi-Key, ComponentLink5Description=https://datasheet.ciiva.com/7639/1836950-7639737.pdf?src-supplier=Element14, ComponentLink5URL=https://datasheet.ciiva.com/7639/1836950-7639737.pdf?src-supplier=Element14, Connector Type=Receptacle, Contact Gender=Female, Contact Material=Bronze, Contact Plating=Tin, Contact Type="Female Socket", Depth=5.04mm, Gender=Receptacle, Hole Diameter=0.8mm, Housing Color=Black, Housing Material=Polyamide, Lead Pitch=2.54mm, Length=51.2mm, Manufacturer Part Number=M20-7832046, Material=Glass, Mating Cycles=50, Max Current Rating=3A, Mount="Through Hole", Number of Contacts=40, Number of Positions=40, Number of Rows=2, Orientation=Straight, Packaging=Rail/Tube, Pitch=2.54mm, Pricing 1="1=3.77000, 11=3.42273, 88=3.01591, 440=2.56348, 946=2.18650, 4906=1.96031 (USD)", Radiation Hardening=No, REACH SVHC="No SVHC", RoHS=Yes, RoHS Compliant=Yes, Row Spacing=0.1inch, Series=M20, Stock 1=6647, Supplier 1=Digi-Key, Termination=Solder
J3: "6.35 mm, Mono and Stereo, Right Angle, Through Hole, 2~3 Conductors, 0~1 Internal Switches, Audio Jack Connector", Manufacturer="CUI Devices", Package=None, Availability=Unavailable, Category="Audio / Video Connectors", Manufacturer Part Number=SJ-63062B, MP=SJ-63062B, Price=None, Pricing 1="1=2.09000, 10=1.82100, 25=1.74360, 50=1.70500, 150=1.62747, 300=1.47250, 600=1.35625, 1050=1.16250, 2550=1.08500 (USD)", RoHS=Yes, Stock 1=732, Supplier 1=Digi-Key
LED1 LED2 LED200: library part CMP-1426-00007-1, "SMD mono-color Chip LED, WL-SMCW, Green", Case Code (Imperial)=0805, Case Code (Metric)=2012, Color=Green, Forward Current=30mA, Forward Voltage=3.2V, Manufacturer="Wuerth Elektronik", Manufacturer 1="Wurth Electronics", Max Operating Temperature=85°C, Min Operating Temperature=-40°C, Package Quantity=4000, Supplier Part Number 1=732-4983-1-ND, Test Current=20mA, Case/Package=0805, Category=LEDs, ComponentLink1Description="Manufacturer URL", ComponentLink1URL=http://www.we-online.com, ComponentLink2Description=Datasheet, ComponentLink2URL=http://katalog.we-online.com/led/datasheet/150080GS75000.pdf, ComponentLink3Description=https://datasheet.ciiva.com/29563/150080gs75000-29563008.pdf?src-supplier=Digi-Key, ComponentLink3URL=https://datasheet.ciiva.com/29563/150080gs75000-29563008.pdf?src-supplier=Digi-Key, ComponentLink4Description=https://datasheet.ciiva.com/29279/759434-da-01-en-chipled-0805-w-kl-gruen-150080gs75000-29279039.pdf?src-supplier=Conrad, ComponentLink4URL=https://datasheet.ciiva.com/29279/759434-da-01-en-chipled-0805-w-kl-gruen-150080gs75000-29279039.pdf?src-supplier=Conrad, Dominant Wavelength=520nm, Height=0.7mm, Length=2mm, Lens Style=Clear,Rectangular, Luminous Intensity=450mcd, Manufacturer Part Number 1=150080GS75000, Mount="Surface Mount", PackageReference=0805_A, Packaging="Cut Tape", PartNumber=150080GS75000, Pricing 1="1=0.19000, 50=0.17600, 100=0.15100, 500=0.13100 (USD)", REACH SVHC=Unknown, RoHS=Yes, RoHS Compliant=Yes, Stock 1=95801, Supplier 1=Digi-Key, Viewing Angle=140°, Wavelength=520nm, Width=1.25mm